# Altium PCB JSP016RB.PcbDoc (part 1 of 2)
Units mm, origin at the board's own origin, x right, y up, seen from the top; angles counter-clockwise.
Board outline 104 x 55 mm, 2 copper layers (Top Layer, Bottom Layer), stack 1.78 mm thick; 164 components, 128 nets, 595 pads, 238 vias.
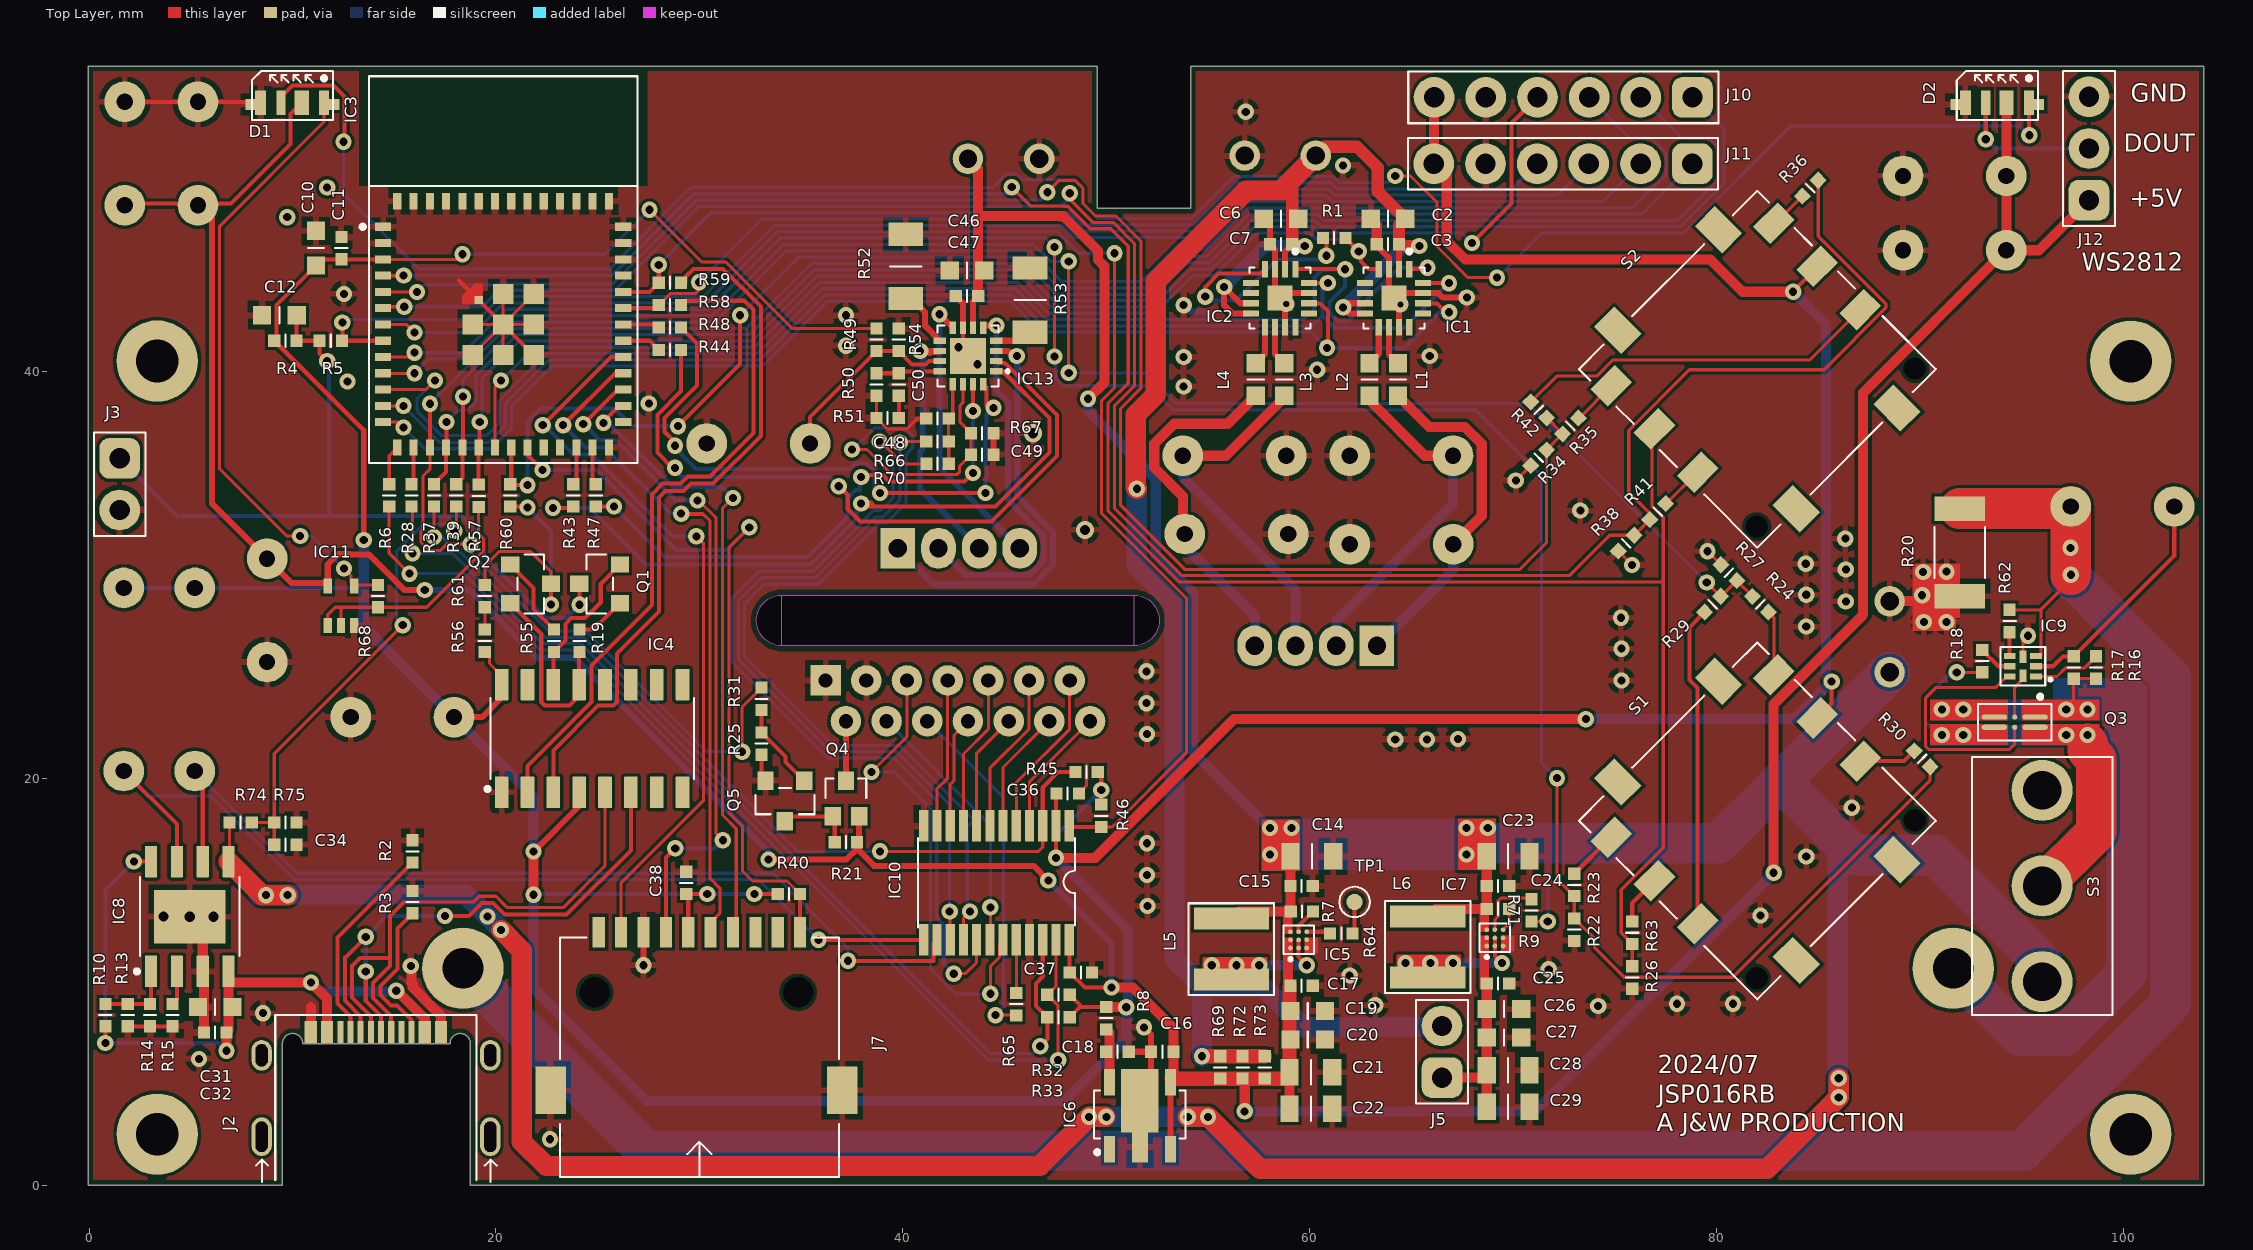
[diagram p0: Top Layer view]
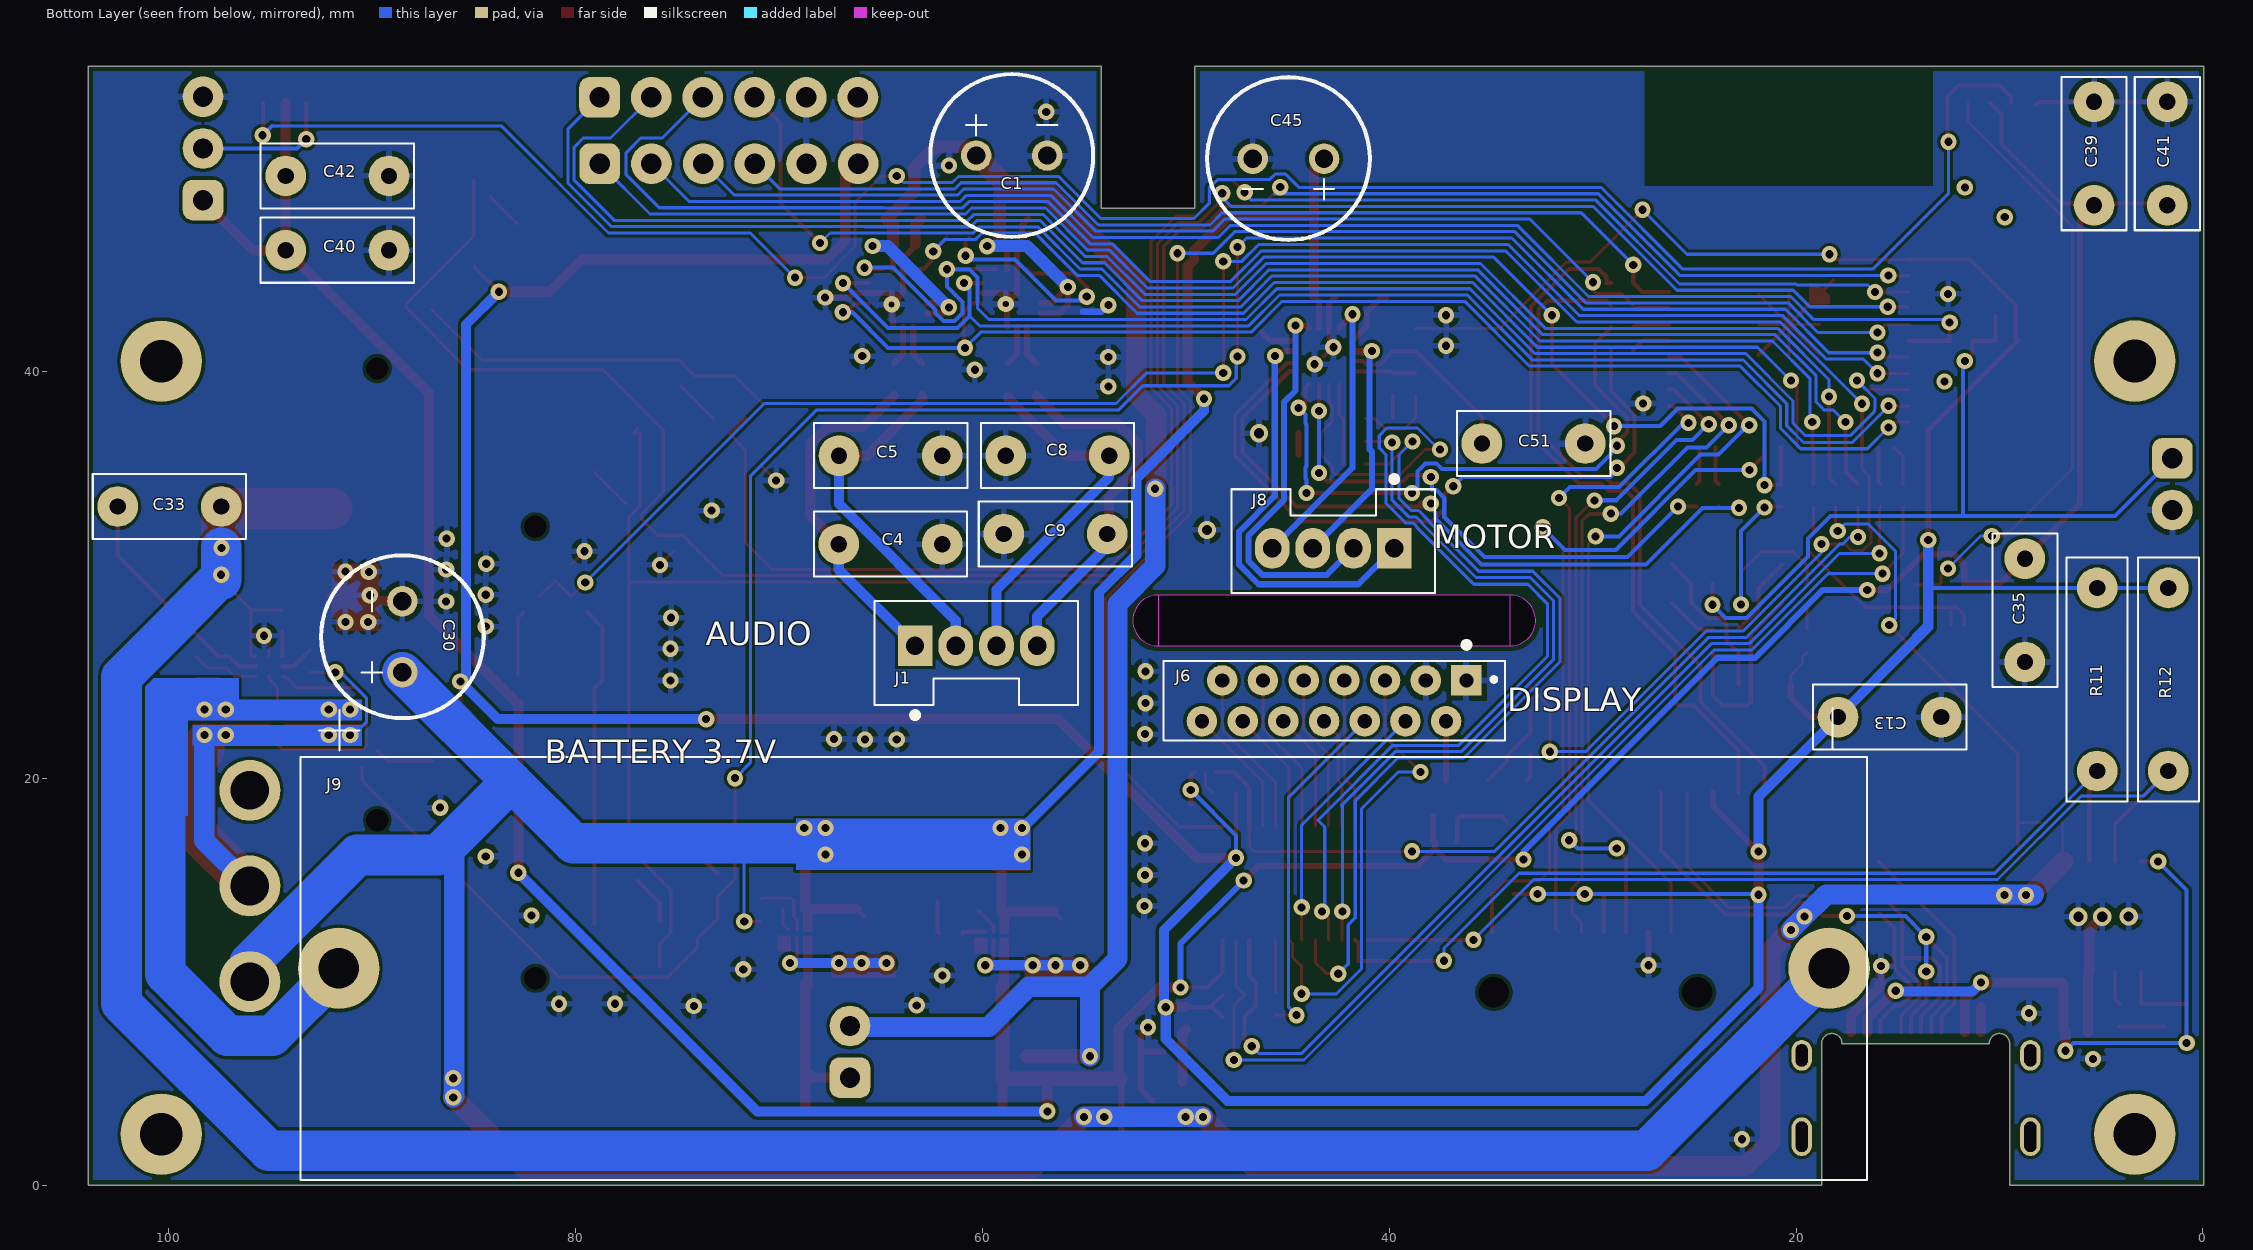
[diagram p1: Bottom Layer view, seen from below]
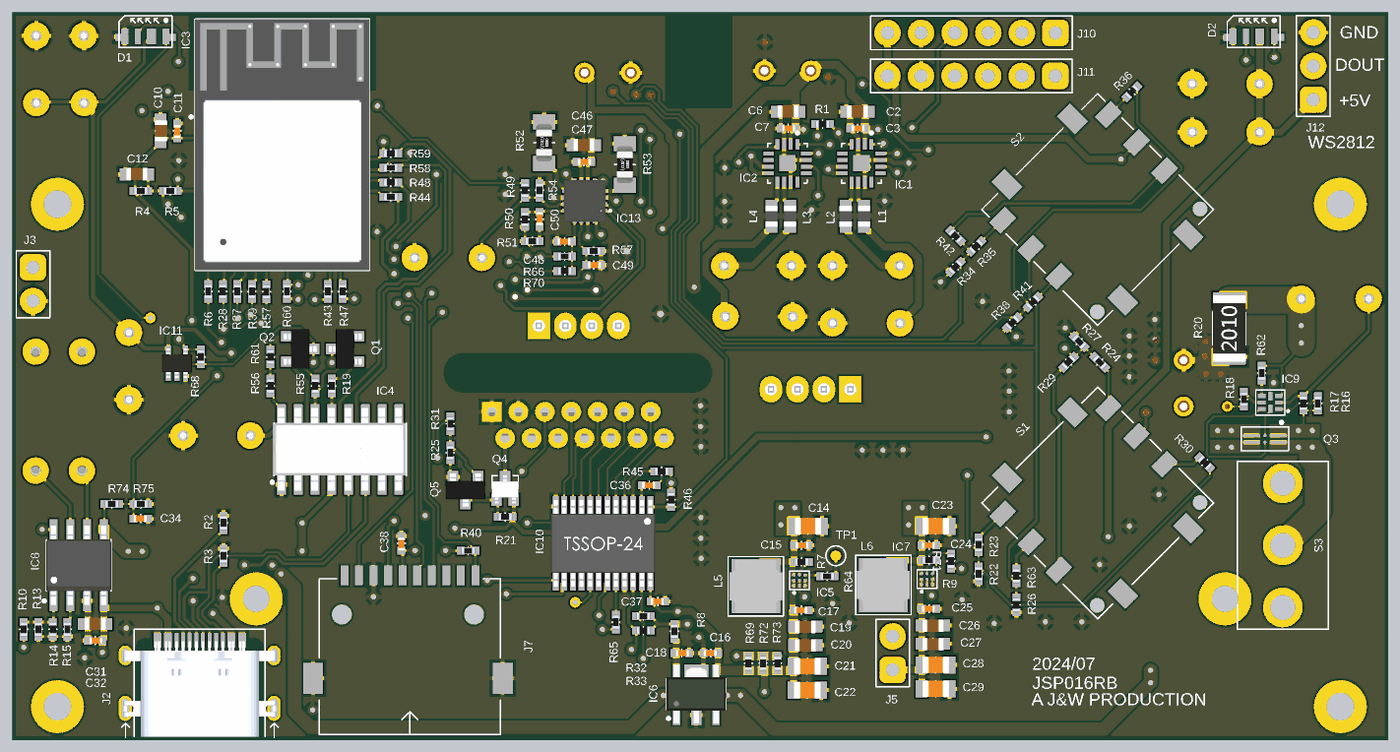
[diagram p3: 3D render of the assembled board from above, using the file's embedded part models]
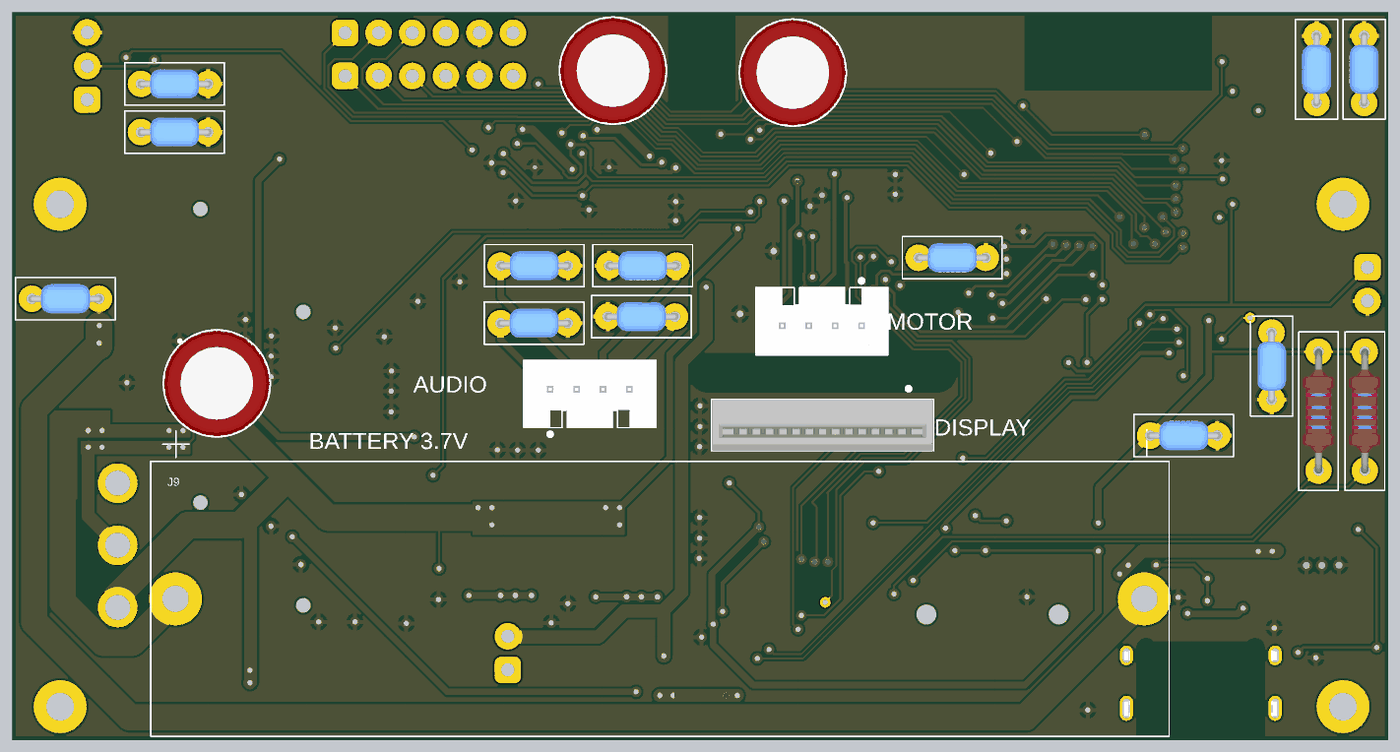
[diagram p4: 3D render of the assembled board from below, using the file's embedded part models]

## Layer stack, top to bottom
Top Solder: solder mask 0.01, Solder Resist, Dk 3.5
Top Layer: signal copper 0.2
Dielectric 1: dielectric 1.38, FR-4, Dk 4.8
Bottom Layer: signal copper 0.2
Bottom Solder: solder mask 0.01, Solder Resist, Dk 3.5

## Board outline
9.5,0 9.5,6.95 cw(c10,6.95) 10.5,6.95 17.74,6.95 cw(c18.24,6.95) 18.74,6.95 18.74,0 103.95,0 103.95,55 54.15,55 54.15,48 49.55,48 49.55,55 -0.05,55 -0.05,0
cut-out: 34.05,26.5 cw(c34.05,27.75) 34.05,29 51.35,29 cw(c51.35,27.75) 51.35,26.5
cut-out: 51.35,26.5 34.05,26.5 34.05,29 51.35,29

## Design rules (kind name [scope] priority, off if disabled: settings)
BoardOutlineClearance [All] p1: gap=0.25 ignorepadtopadclearanceinfootprint=FALSE except(0: Arc-SplitContinuation Track-SplitContinuation SMDPad-SplitContinuation THPad-SplitContinuation Via-SplitContinuation Fill-SplitContinuation Poly-SplitContinuation Region-SplitContinuation Text-SplitContinuation)
Clearance [All] p1: gap=0.16 ignorepadtopadclearanceinfootprint=FALSE except(0: Arc-Hole Track-Hole SMDPad-Hole THPad-Hole Via-Hole Fill-Hole Poly-Hole Region-Hole Text-Hole)
ComponentClearance [All] p1: gap=0.1 collisioncheckmode=3 verticalgap=0.1 showdistances=FALSE
PolygonConnect [All] p1: connectstyle=Relief reliefconductorwidth=0.3 reliefentries=4 polygonreliefangle="90 Angle" airgapwidth=0.254
RoomDefinition MOTOR [InComponentClass('MOTOR')] p1 off: confinementstyle=ConfineIn formatcopy=TRUE lockcomponents=FALSE outline 105.159,65 237.059,65 237.059,80.45 105.159,80.45
RoomDefinition GIO [InComponentClass('GIO')] p2 off: confinementstyle=ConfineIn formatcopy=TRUE lockcomponents=FALSE outline 105.159,16.65 394.709,16.65 394.709,39.6 105.159,39.6
RoomDefinition PSU [InComponentClass('PSU')] p3 off: confinementstyle=ConfineIn formatcopy=TRUE lockcomponents=FALSE outline 319.96,184.5 428.96,184.5 428.96,203.5 319.96,203.5
RoomDefinition AUDIO [InComponentClass('AUDIO')] p4 off: confinementstyle=ConfineIn formatcopy=TRUE lockcomponents=FALSE outline 330.96,111.35 534.96,111.35 534.96,151.35 330.96,151.35
RoomDefinition MCU [InComponentClass('MCU')] p5 off: confinementstyle=ConfineIn formatcopy=TRUE lockcomponents=FALSE outline 332,153.45 433,153.45 433,184.45 332,184.45
RoutingVias [All] p1: holewidth=0.6 width=0.8 viastyle="Through Hole" minholewidth=0.3 minwidth=0.6 maxholewidth=0.8 maxwidth=1.6
SolderMaskExpansion [All] p1: expansion=0.102
Width [All] p1: maxlimit=5 minlimit=0.15 preferedwidth=0.15 minimp=50.000000 maximp=50.000000 favimp=50.000000
29 further rules are at their usual default settings.

## Classes and differential pairs
component class MOTOR: C45 C46 C47 C48 C49 C50 C51 IC13 J8 R43 R44 R47 R48 R49 R50 R51 R52 R53 R54 R66 R67 R70
component class GIO: C35 C36 C37 C38 C39 C40 C41 C42 D1 D2 IC10 IC11 J6 J7 J12 Q4 Q5 R21 R22 R23 R24 R25 R26 R27 R29 R30 R32 R33 R34 R35 R36 R38 R40 R41 R42 R45 R46 R63 R65 R68 S1 S2
component class PSU: C14 C15 C16 C17 C18 C19 C20 C21 C22 C23 C24 C25 C26 C27 C28 C29 C30 C31 C32 C33 C34 IC5 IC6 IC7 IC8 IC9 J5 J9 L5 L6 Q3 R7 R8 R9 R10 R11 R12 R13 R14 R15 R16 R17 R18 R20 R62 R64 R69 R71 R72 R73 R74 R75 S3 TP1
component class MCU: C10 C11 C12 C13 IC3 IC4 J2 J3 J10 J11 Q1 Q2 R2 R3 R4 R5 R6 R19 R28 R31 R37 R39 R55 R56 R57 R58 R59 R60 R61
component class AUDIO: C1 C2 C3 C4 C5 C6 C7 C8 C9 IC1 IC2 J1 L1 L2 L3 L4 R1

## Components (designator, comment, footprint, x,y, rotation, side; value= is the part's Value field where it differs from the comment)
C1 "cap-pol" CD6.3H12TH 58.55,50.6 r180 bottom value=470µF
C2 "cap_non_pol" C0603 63.84,47.49 r180 top value=10µF
C3 "cap_non_pol" C0402 63.84,46.24 r0 top value=100nF
C4 "cap_non_pol" TH5.08 64.51,31.5 r180 bottom value=220pF
C5 "cap_non_pol" TH5.08 64.5,35.85 r180 bottom value=220pF
C6 "cap_non_pol" C0603 58.59,47.49 r180 top value=10µF
C7 "cap_non_pol" C0402 58.59,46.24 r0 top value=100nF
C8 "cap_non_pol" TH5.08 56.302,35.85 r0 bottom value=220pF
C9 "cap_non_pol" TH5.08 56.4,32 r0 bottom value=220pF
C10 "cap_non_pol" C0603 11.15,46.05 r90 top value=10µF
C11 "cap_non_pol" C0402 12.4,46.05 r270 top value=100nF
C12 "cap_non_pol" C0603 9.35,42.75 r180 top value=1µF
C13 "cap_non_pol" TH5.08 15.395,23 r180 bottom value=100nF
C14 "cap_non_pol" C0805 60.1,16.15 r0 top value=4.7µF
C15 "cap_non_pol" C0402 59.6,14.7 r0 top value=100nF
C16 "cap_non_pol" C0402 52.75,6.55 r180 top value=1µF
C17 "cap_non_pol" C0402 59.6,9.8 r180 top value=100nF
C18 "cap_non_pol" C0402 50.55,6.55 r0 top value=1µF
C19 "cap_non_pol" C0603 59.9,8.55 r0 top value=10µF
C20 "cap_non_pol" C0603 59.9,7.15 r0 top value=10µF
C21 "cap_non_pol" C0805 60.05,5.55 r0 top value=4.7µF
C22 "cap_non_pol" C0805 60.05,3.75 r0 top value=4.7µF
C23 "cap_non_pol" C0805 69.75,16.15 r0 top value=4.7µF
C24 "cap_non_pol" C0402 69.25,14.7 r180 top value=100nF
C25 "cap_non_pol" C0402 69.25,9.9 r180 top value=100nF
C26 "cap_non_pol" C0603 69.55,8.65 r0 top value=10µF
C27 "cap_non_pol" C0603 69.55,7.25 r0 top value=10µF
C28 "cap_non_pol" C0805 69.75,5.65 r0 top value=4.7µF
C29 "cap_non_pol" C0805 69.75,3.85 r0 top value=4.7µF
C30 "cap-pol" CD6.3H12TH 88.5,26.95 r90 bottom value=10µF
C31 "cap_non_pol" C0603 6.2,8.75 r180 top value=10µF
C32 "cap_non_pol" C0402 6.2,7.5 r0 top value=100nF
C33 "cap_non_pol" TH5.08 99.95,33.35 r180 bottom value=100nF
C34 "cap_non_pol" C0402 9.65,16.725 r180 top value=100nF
C35 "cap_non_pol" TH5.08 8.75,28.25 r270 bottom value=100nF
C36 "cap_non_pol" C0402 48.1,19.25 r180 top value=100nF
C37 "cap_non_pol" C0402 48.75,10.45 r180 top value=100nF
C38 "cap_non_pol" C0402 29.35,14.85 r270 top value=100nF
C39 "cap_non_pol" TH5.08 5.35,50.7 r270 bottom value=1µF
C40 "cap_non_pol" TH5.08 91.7,45.95 r0 bottom value=1µF
C41 "cap_non_pol" TH5.08 1.75,50.7 r90 bottom value=100nF
C42 "cap_non_pol" TH5.08 91.7,49.6 r180 bottom value=100nF
C45 "cap-pol" CD6.3H12TH 44.95,50.45 r0 bottom value=470µF
C46 "cap_non_pol" C0603 43.15,44.95 r180 top value=10µF
C47 "cap_non_pol" C0402 43.15,43.7 r0 top value=100nF
C48 "cap_non_pol" C0402 41.7,37.672 r180 top value=10nF
C49 "cap_non_pol" C0402 43.9,35.9 r0 top value=10nF
C50 "cap_non_pol" C0402 39.8,39.35 r90 top value=22nF
C51 "cap_non_pol" TH5.08 32.9,36.45 r0 bottom value=100nF
D1 "SK6812B" SK6812B 10,53.15 r180 top
D2 "SK6812B" SK6812B 93.8,53.15 r180 top
IC1 "MAX98357AETE+T" TQFN-16 64.14,43.59 r270 top
IC2 "MAX98357AETE+T" TQFN-16 58.54,43.59 r270 top
IC3 "ESP32-MINI-1" ESP32-MINI-1 20.35,42.3 r0 top
IC4 "CH340C" SOP-16 24.725,21.95 r90 top
IC5 "TPS61253X" DSBGA-9 59.45,12.05 r90 top
IC6 "AP2112R5" SOT-89-5 51.65,3.412 r0 top
IC7 "TPS61253X" DSBGA-9 69.1,12.15 r90 top
IC8 "TP4056" SOIC-8-E 4.95,13.2 r90 top
IC9 "BQ298012" XFQFN-8 95.05,25.5 r90 top
IC10 "PI4IOE5V6416LEX" TSSOP-24 44.6,14.85 r270 top
IC11 "74HCT1G08GW" TSSOP-5 12.381,28.475 r90 top
IC13 "STSPIN240" VFQFPN-16 43.2,40.75 r180 top
J1 "Pin-4" 110990030 60.3,26.5 r180 bottom
J2 "GSB1C4621DS1HR" GSB1C4621DS1HR 14.1,4.95 r0 top
J3 "Pin-2" 2-PIN-EMPTY 1.5,34.45 r270 top
J5 "Pin-2" 2-PIN-EMPTY 66.5,6.55 r90 top
J6 "Pin-14" HLW14S-2C7LF 42.7,23.8 r0 bottom
J7 "MSD-11-A" MSD-11-A 30,12.42 r0 top
J8 "Pin-4" 110990030 42.75,31.3 r0 bottom
J9 "Pin-2" B075TZF7NN 55,10.65 r180 bottom
J10 "Pin-6" 6-PIN-EMPTY 72.46,53.46 r180 top
J11 "Pin-6" 6-PIN-EMPTY 72.45,50.2 r180 top
J12 "Pin-3" 3-PIN-EMPTY 98.3,52.22 r90 top
L1 "ferrite_bead" FB0603 64.34,39.59 r270 top
L2 "ferrite_bead" FB0603 62.94,39.59 r270 top
L3 "ferrite_bead" FB0603 58.74,39.59 r270 top
L4 "ferrite_bead" FB0603 57.34,39.59 r270 top
L5 "inductor_1" L4.2X4.2X2 56.15,11.6 r0 top value=1µH
L6 "inductor_1" L4.2X4.2X2 65.8,11.7 r0 top value=1µH
Q1 "N_CH_MOSFET" SOT-23(-3) 25.1,29.55 r90 top
Q2 "N_CH_MOSFET" SOT-23(-3) 21.7,29.55 r270 top
Q3 "N_CH_MOSFET2_DUAL" CSP-6 94.65,22.75 r180 top
Q4 "P_CH_MOSFET2" SOT-323 37.2,19 r0 top
Q5 "N_CH_MOSFET" SOT-23(-3) 34.2,18.875 r180 top
R1 "resistor" R0402 61.2,46.55 r0 top value=210k
R2 "resistor" R0402 15.9,16.4 r90 top value=5.1k
R3 "resistor" R0402 15.9,13.906 r90 top value=5.1k
R4 "resistor" R0402 9.65,41.5 r180 top value=10k
R5 "resistor" R0402 11.879,41.5 r180 top value=0
R6 "resistor" R0402 14.75,33.9 r270 top value=100
R7 "resistor" R0402 59.61,13.45 r0 top value=46k4
R8 "resistor" R0402 50,8.2 r270 top value=0
R9 "resistor" R0402 69.25,13.575 r180 top value=100k
R10 "resistor" R0402 0.8,8.35 r270 top value=5k
R11 "resistor" TH6.3 5.2,24.85 r270 bottom value=100k
R12 "resistor" TH6.3 1.7,24.85 r270 bottom value=100k
R13 "thermistor" R0402 1.9,8.35 r90 top value=10k
R14 "resistor" R0402 3,8.35 r270 top value=100k
R15 "resistor" R0402 4.1,8.35 r270 top value=1k
R16 "resistor" R0402 98.65,25.438 r270 top value=27
R17 "resistor" R0402 97.55,25.438 r270 top value=330
R18 "resistor" R0402 93.05,25.75 r90 top value=2.2k
R19 "resistor" R0402 24.1,26.75 r90 top value=10k
R20 "resistor" R2010 91.95,31.1 r90 top value=0,003
R21 "resistor" R0402 37.2,16.85 r180 top value=100k
R22 "resistor" R0402 73,12.55 r270 top value=100k
R23 "resistor" R0402 73,14.75 r270 top value=100k
R24 "resistor" R0402 82.15,28.55 r315 top value=46k4
R25 "resistor" R0402 33.05,21.7 r270 top value=100k
R26 "resistor" R0402 75.85,10.2 r270 top value=100k
R27 "resistor" R0402 80.6,30.1 r135 top value=100k
R28 "resistor" R0402 15.85,33.9 r270 top value=100
R29 "resistor" R0402 79.8,28.55 r45 top value=100k
R30 "resistor" R0402 90.1,20.95 r135 top value=46k4
R31 "resistor" R0402 33.05,23.9 r90 top value=0
R32 "resistor" R0402 47.65,9.35 r0 top value=4k7
R33 "resistor" R0402 47.65,8.25 r0 top value=4k7
R34 "resistor" R0402 71.25,35.75 r225 top value=100k
R35 "resistor" R0402 72.811,37.311 r225 top value=100k
R36 "resistor" R0402 84.6,49 r225 top value=46k4
R37 "resistor" R0402 16.95,33.9 r90 top value=0
R38 "resistor" R0402 75.55,31.55 r225 top value=100k
R39 "resistor" R0402 18.05,33.9 r90 top value=0
R40 "resistor" R0402 34.4,14.3 r180 top value=100k
R41 "resistor" R0402 77.1,33.1 r225 top value=100k
R42 "resistor" R0402 71.25,38.1 r135 top value=46k4
R43 "resistor" R0402 23.8,33.9 r90 top value=100
R44 "resistor" R0402 28.55,41.05 r180 top value=100
R45 "resistor" R0402 49.03,20.3 r0 top value=4k7
R46 "resistor" R0402 49.75,18.15 r90 top value=4k7
R47 "resistor" R0402 24.9,33.9 r90 top value=100
R48 "resistor" R0402 28.55,42.15 r180 top value=100
R49 "resistor" R0402 38.7,41.55 r270 top value=330k
R50 "resistor" R0402 38.7,39.35 r270 top value=46k4
R51 "resistor" R0402 39.25,37.7 r0 top value=1k
R52 "resistor" R1206 40.15,45.15 r270 top value=0.8
R53 "resistor" R1206 46.25,43.5 r270 top value=0.8
R54 "resistor" R0402 39.8,41.55 r90 top value=46k4
R55 "resistor" R0402 22.85,26.75 r90 top value=10k
R56 "resistor" R0402 19.45,26.75 r90 top value=10k
R57 "resistor" R0402 19.15,33.878 r90 top value=0
R58 "resistor" R0402 28.55,43.25 r0 top value=0
R59 "resistor" R0402 28.55,44.35 r0 top value=0
R60 "resistor" R0402 20.7,33.9 r90 top value=0
R61 "resistor" R0402 19.45,28.95 r90 top value=10k
R62 "resistor" R0402 94.4,27.722 r90 top value=0
R63 "resistor" R0402 75.85,12.4 r270 top value=100k
R64 "resistor" R0402 61.55,12.363 r0 top value=0
R65 "resistor" R0402 45.575,8.89 r90 top value=100
R66 "resistor" R0402 41.7,36.55 r180 top value=4k7
R67 "resistor" R0402 43.9,36.954 r0 top value=100k
R68 "resistor" R0402 14.2,28.95 r270 top value=0
R69 "resistor" R0402 55.6,5.78 r270 top value=0
R70 "resistor" R0402 41.704,35.45 r180 top value=0
R71 "resistor" R0402 70.9,13.5 r90 top value=46k4
R72 "resistor" R0402 56.7,5.78 r270 top value=0
R73 "resistor" R0402 57.79,5.78 r270 top value=0
R74 "resistor" R0402 7.45,17.825 r0 top value=100k
R75 "resistor" R0402 9.65,17.825 r0 top value=100k
S1 "2425755-1" 2425755-1 82,17.9 r45 top
S2 "2425755-1" 2425755-1 82,40.1 r45 top
S3 "push-button" ANT11SF1CQE 96,14.7 r90 top
TP1 "TP" TP_0.8MM 62.2,13.913 r0 top
